# Altium PCB WashrPCBV3.PcbDoc
Units mm, origin at the board's own origin, x right, y up, seen from the top; angles counter-clockwise.
Board outline 82 x 52 mm, 2 copper layers (Top Layer, Bottom Layer); 27 components, 19 nets, 128 pads, 34 vias.
Unrouted connection lines stored in the file: 1.
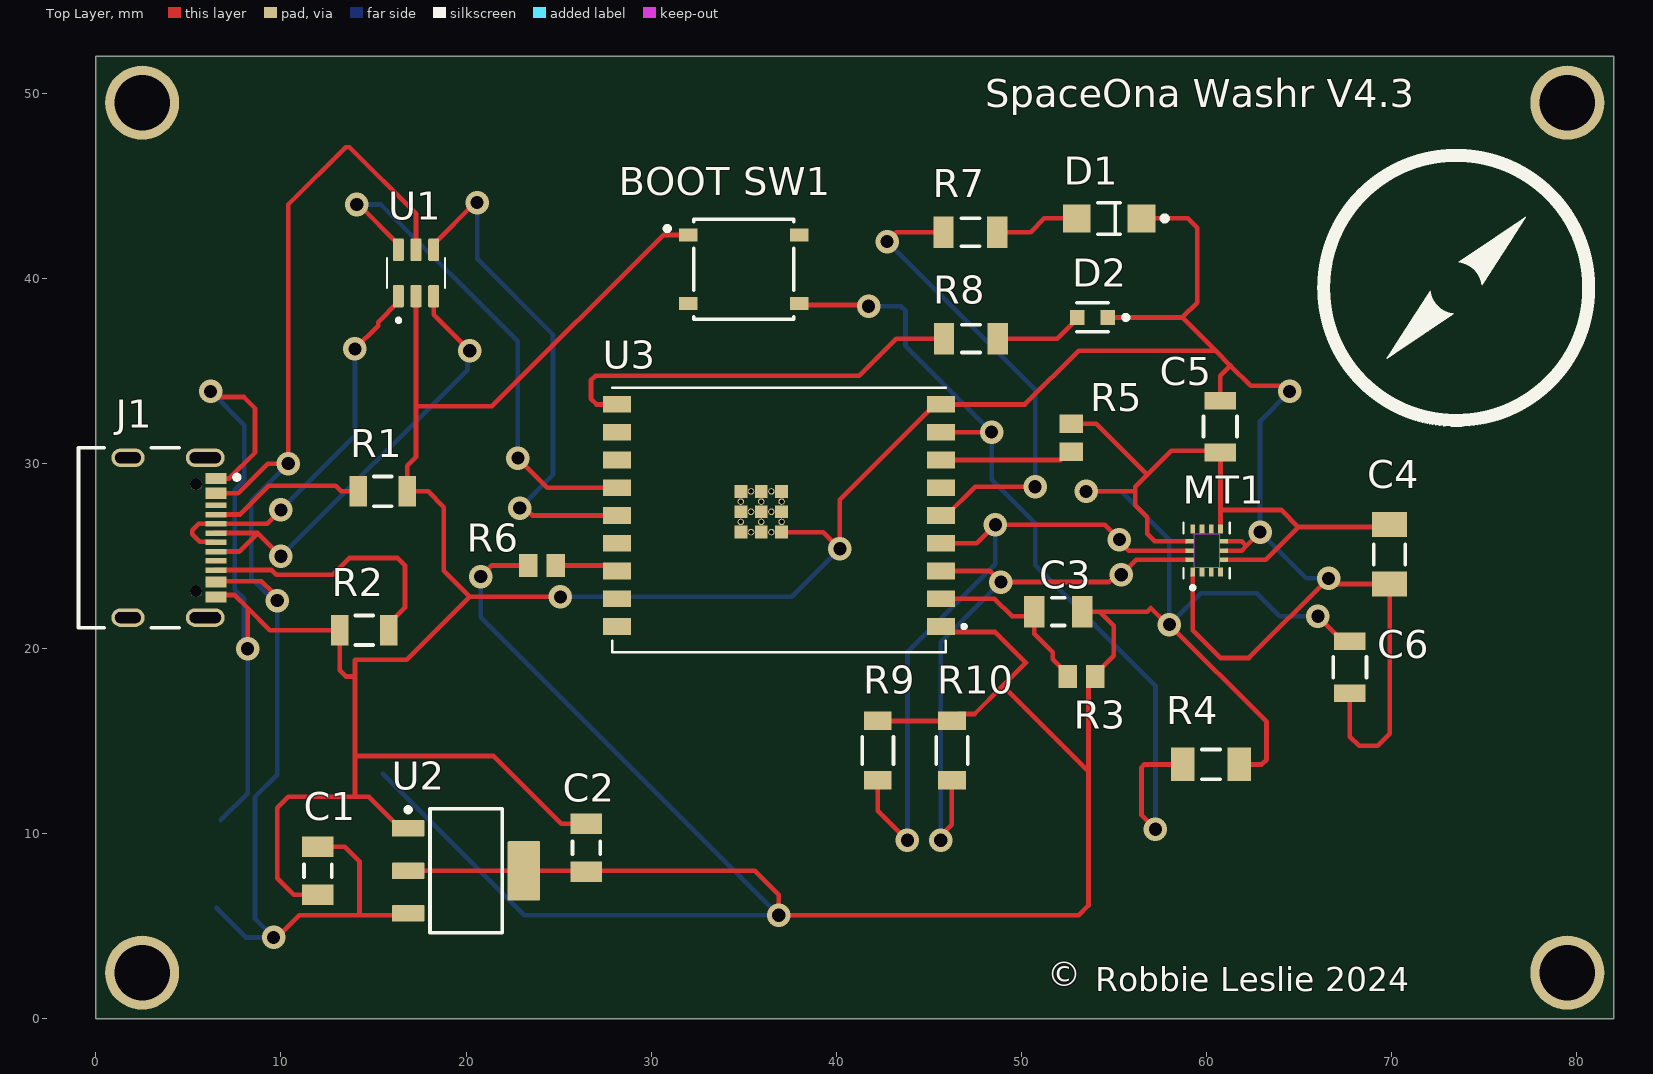
[diagram p0: Top Layer view]
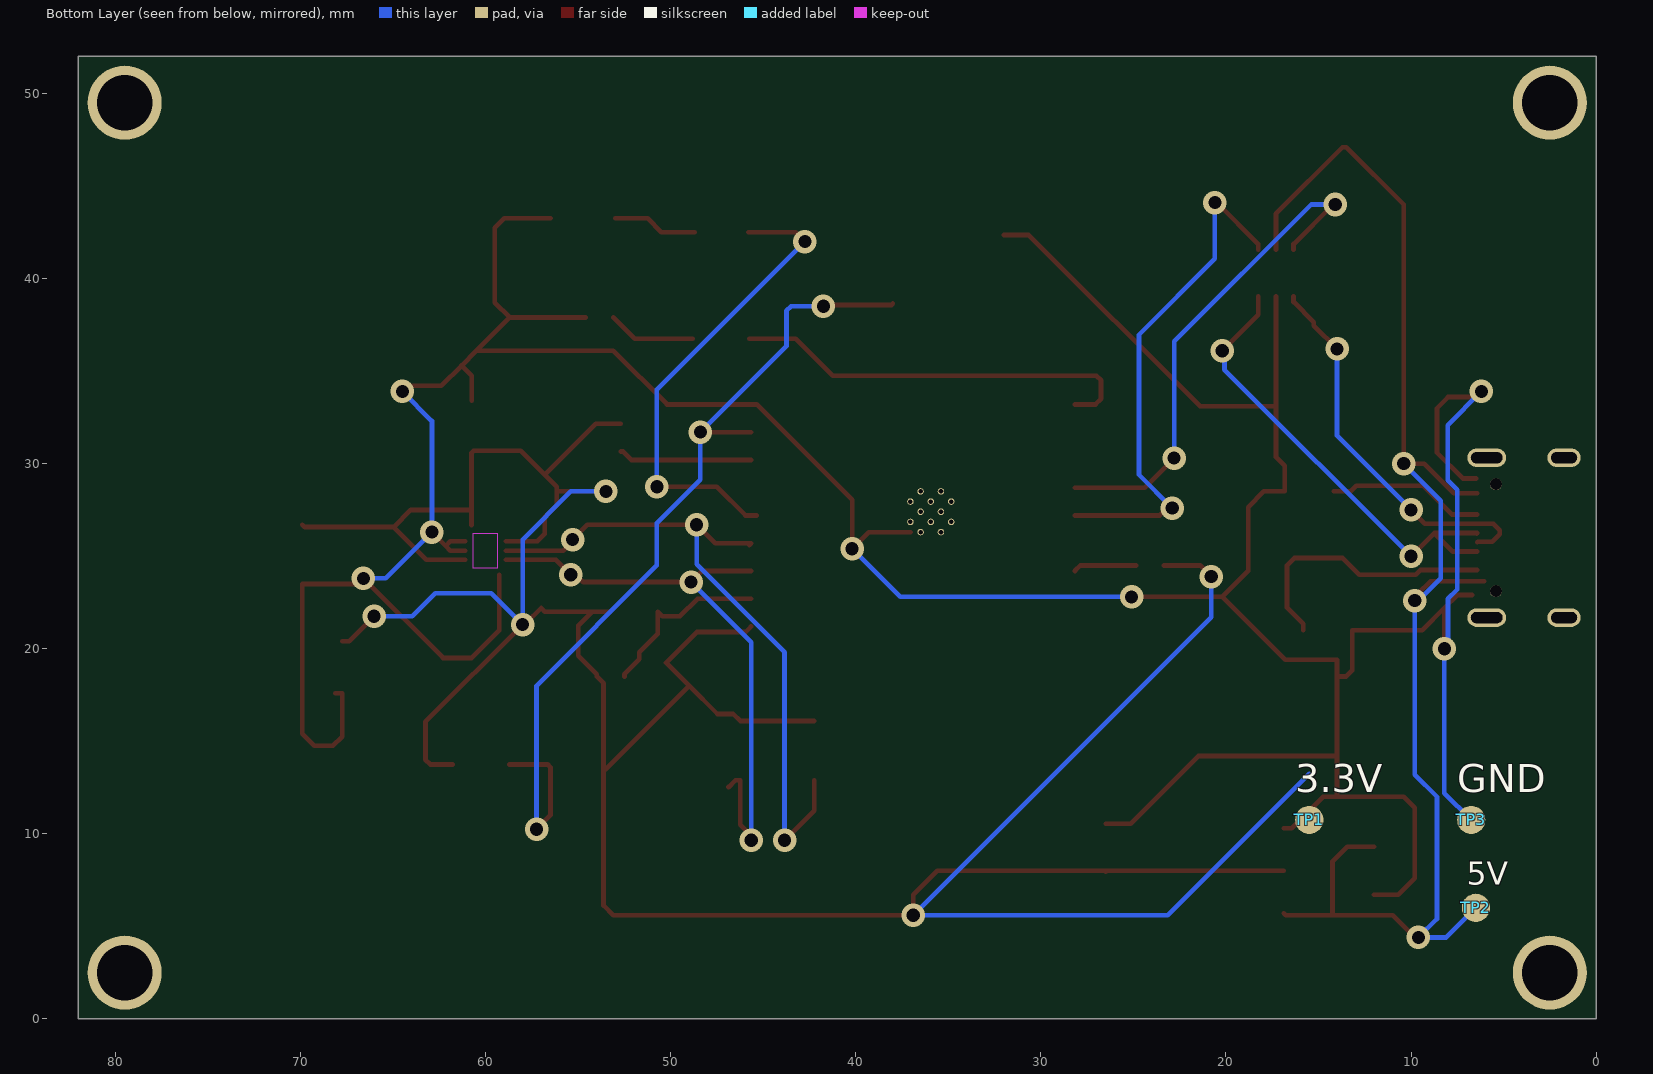
[diagram p1: Bottom Layer view, seen from below]
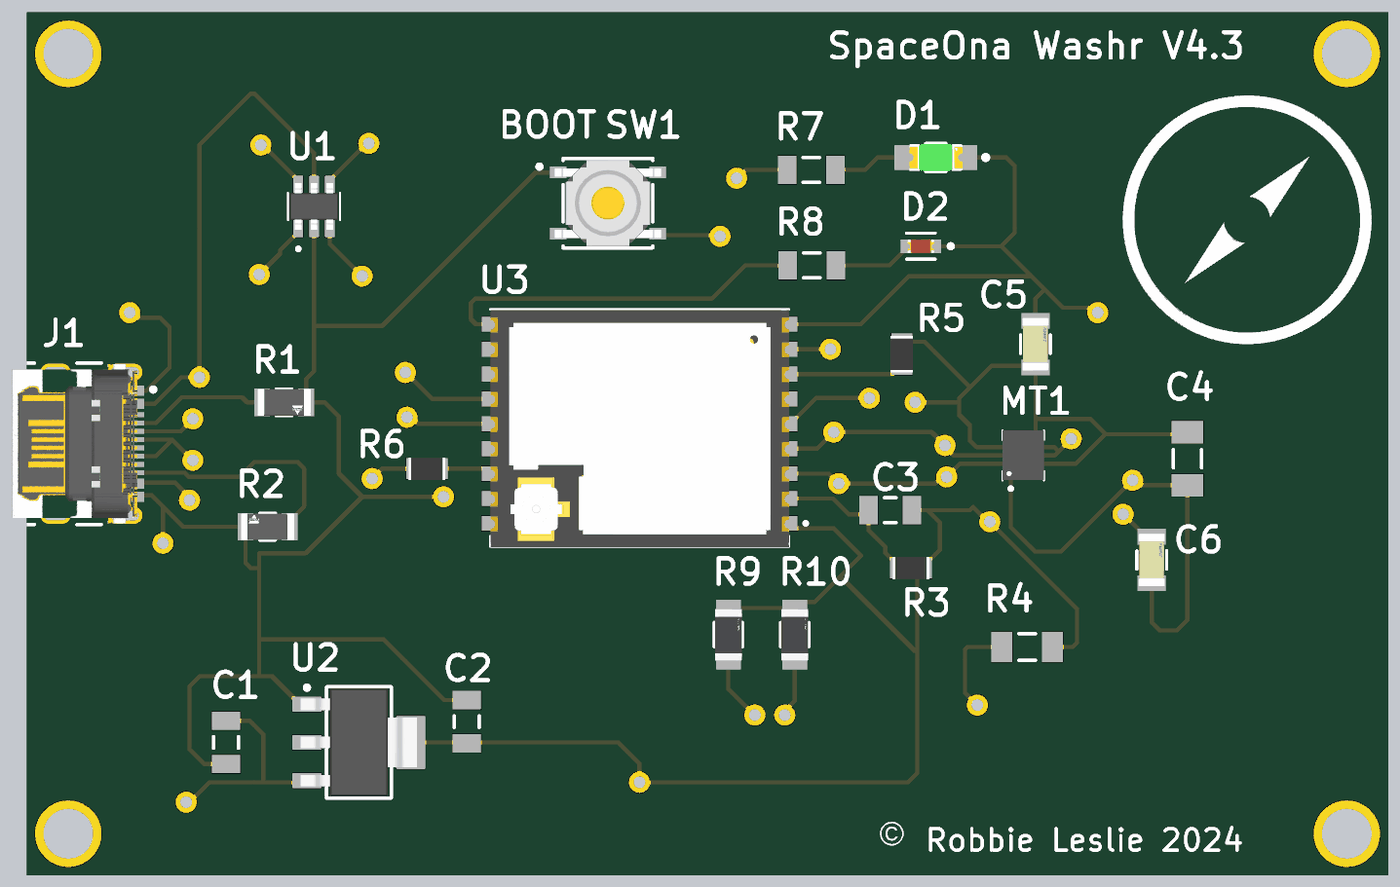
[diagram p2: 3D render of the assembled board from above, using the file's embedded part models]

## Layer stack, top to bottom
Top Solder: solder mask 0.0102, Solder Resist, Dk 3.5
Top Layer: signal copper 0.0356
Dielectric 1: dielectric 0.32, FR-4, Dk 4.8
Bottom Layer: signal copper 0.0356
Bottom Solder: solder mask 0.0102, Solder Resist, Dk 3.5

## Board outline
0,52 82,52 82,0 0,0

## Design rules (kind name [scope] priority, off if disabled: settings)
BoardOutlineClearance [All] p1: gap=0.2 ignorepadtopadclearanceinfootprint=FALSE
Clearance [All] p1: gap=0.127 ignorepadtopadclearanceinfootprint=TRUE except(0.254: Arc-Hole Track-Hole SMDPad-Hole THPad-Hole Via-Hole Fill-Hole Poly-Hole Region-Hole Text-Hole)
ComponentClearance [All] p1: gap=0.127 collisioncheckmode=3 verticalgap=0.127 showdistances=TRUE
DiffPairsRouting [All] p1: maxlimit=0.254 minlimit=0.127 mostfreqgap=0.127 toplayer_minwidth=0.127 toplayer_maxwidth=25.4 toplayer_prefwidth=0.127 bottomlayer_minwidth=0.127 bottomlayer_maxwidth=25.4 bottomlayer_prefwidth=0.127 maxuncoupledlength=12.7
Height [All] p1: minheight=0 maxheight=1816.048 prefheight=12.7
HoleSize [All] p1: absolutevalues=TRUE maxlimit=6.3 minlimit=0.3 maxpercent=80.000 minpercent=20.000
HoleToHoleClearance [All] p1: gap=0.254 allowstackedmicrovias=FALSE
MinimumAnnularRing [All] p1: minimumring=0.152
MinimumSolderMaskSliver [All] p1: minsoldermaskwidth=0.152
PlaneClearance [All] p1: clearance=0.127
PlaneConnect PlaneConnectPowerPads [InPadClass('PowerPads')] p1: planeconnectstyle=Direct reliefexpansion=0.508 reliefentries=4 reliefconductorwidth=0.254 reliefairgap=0.254
PlaneConnect [All] p2: pad.planeconnectstyle=Relief pad.reliefexpansion=0.3 pad.reliefentries=4 pad.reliefconductorwidth=0.127 pad.reliefairgap=0.127 via.planeconnectstyle=Direct via.reliefexpansion=0.3 via.reliefentries=4 via.reliefconductorwidth=0.127 via.reliefairgap=0.127
PolygonConnect PolygonConnectPowerPads [All vs (InPadClass('PowerPads'))] p1: connectstyle=Direct reliefconductorwidth=0.254 reliefentries=4 polygonreliefangle="90 Angle" airgapwidth=0.254
PolygonConnect [All] p2: thpad.connectstyle=Relief thpad.reliefconductorwidth=0.127 thpad.reliefentries=4 thpad.polygonreliefangle="90 Angle" thpad.airgapwidth=0.127 smdpad.connectstyle=Relief smdpad.reliefconductorwidth=0.127 smdpad.reliefentries=4 smdpad.polygonreliefangle="90 Angle" smdpad.airgapwidth=0.127 via.connectstyle=Direct via.reliefconductorwidth=0.127 via.reliefentries=4 via.polygonreliefangle="90 Angle" via.airgapwidth=0.127
RoutingVias [All] p1: holewidth=0.3 width=0.6 viastyle="Through Hole" minholewidth=0.3 minwidth=0.6 maxholewidth=0.6 maxwidth=6.6
SilkToSilkClearance [All] p1: silktosilkclearance=0.127
SilkToSolderMaskClearance [IsPad] p1: minsilkscreentomaskgap=0.127 clearancetoexposedcopper=TRUE
SolderMaskExpansion [All] p1: expansion=0.051 istentingtop=FALSE
SupplyNets "Schematic Supply Nets" [InNet('GND')] p1: voltage=0.000
UnRoutedNet [All] p1: checkbadconnections=TRUE
Width Width_10mil [All] p1: maxlimit=25.4 minlimit=0.254 preferedwidth=0.254 minimp=50.000000 maximp=50.000000 favimp=50.000000
Width Width_6mil [All] p2: maxlimit=25.4 minlimit=0.152 preferedwidth=0.152 minimp=50.000000 maximp=50.000000 favimp=50.000000
Width Power_20mil [All] p3: maxlimit=25.4 minlimit=0.508 preferedwidth=0.508 minimp=50.000000 maximp=50.000000 favimp=50.000000
Width Power_12mil [All] p4: maxlimit=25.4 minlimit=0.305 preferedwidth=0.305 minimp=50.000000 maximp=50.000000 favimp=50.000000
Width Width_5mil [All] p5: maxlimit=25.4 minlimit=0.127 preferedwidth=0.127 minimp=50.000000 maximp=50.000000 favimp=50.000000
19 further rules are at their usual default settings.

## Components (designator, comment, footprint, x,y, rotation, side; value= is the part's Value field where it differs from the comment)
C1 "C1206C105K5RACTU" CAPC3216X110X50LL20T25 12,8 r90 top
C2 "C1206C105K5RACTU" CAPC3216X110X50LL20T25 26.5,9.25 r270 top
C3 "C1206C105K5RACTU" CAPC3216X110X50LL20T25 52,22 r0 top
C4 "CAP 2.2uF 10V 1206(3216)" CAPC1206(3216)110_M 69.9,25.1 r90 top value=2.2uF
C5 "C1206C104J5RACTU" FP-C1206C-EB-MFG 60.75,32 r270 top value="0.10 μF"
C6 "C1206C103J1RACTU" FP-C1206C-EB-MFG 67.75,19 r270 top value="10,000 pF"
D1 "HSMG-C150" FP-HSMG-C150-MFG 54.75,43.25 r180 top
D2 "SML-D12U1WT86" FP-SML-D12-MFG 53.85,37.9 r180 top
J1 "USB4105-GF-A" FP-USB4105-GF-A-MFG 2.9,26 r270 top
MT1 "ICM-42670-P" XDCR_ICM-42670-P 60.013,25.3 r90 top
R1 "CRCW12065K10FKEA" FP-CRCW1206-e3-IPC_C 15.5,28.5 r0 top
R2 "CRCW12065K10FKEA" FP-CRCW1206-e3-IPC_C 14.5,21 r180 top
R3 "ERA-6AEB103V" RESC2013X60X40LL20T25_A 53.25,18.5 r180 top
R4 "RC1206FR-0710KL" RESC3116X65X40ML10T20 60.25,13.75 r0 top
R5 "ERA-6AEB103V" RESC2013X60X40LL20T25_A 52.7,31.4 r90 top
R6 "ERA-6AEB103V" RESC2013X60X40LL20T25_A 24.1,24.5 r180 top
R7 "CRCW120675R0FKEA" RESC3216X60X45NL10T20 47.25,42.5 r180 top
R8 "CRCW120675R0FKEA" RESC3216X60X45NL10T20 47.276,36.75 r180 top
R9 "RT1206FRE074K7L" FP-RT1206-MFG 42.25,14.5 r90 top value=4.7KΩ
R10 "RT1206FRE074K7L" FP-RT1206-MFG 46.25,14.5 r90 top value=4.7KΩ
SW1 "PTS526SK15SMTR2LFS" FP-PTS526SK15SMTR2LFS-MFG 35,40.5 r0 top
TP1 "Testpin" PCBComponent_1 15.5,10.75 r90 top
TP2 "Testpin" PCBComponent_1 6.5,6 r90 top
TP3 "Testpin" PCBComponent_1 6.75,10.75 r90 top
U1 "USBLC6-2SC6" SOT95P280X145-6N 17.3,40.3 r90 top
U2 "TLV1117LV33DCYR" DCY0004A_N 20,8 r0 top locked
U3 "ESP32-C3-WROOM-02U-N4" XCVR_ESP32-C3-WROOM-02U-N4 36.91,26.95 r180 top

## Footprints (in the part's own frame and the unit in brackets; to place one, negate y for a bottom-side part, rotate by r counter-clockwise, add the part's x,y. Pads: shape width x height; smd on the part's side, far side on the other; paste and mask are expansions set on the pad)
CAPC1206(3216)110_M [mm] "Chip Capacitor, Body 3.2x1.6mm, Height 1.1mm, IPC Low Density"
  rect 1.35x1.9 smd: 1(-1.6,0) 2(1.6,0)
  silkscreen extent -0.55,-0.85 0.55,0.85, body extent -1.7,-0.9 1.7,0.9, height 1.1
CAPC3216X110X50LL20T25 [mm] "Chip Capacitor, 2-Leads, Body 3.20x1.60mm, IPC High Density"
  rect 1.1x1.7 smd: 1(-1.3,0) 2(1.3,0)
  silkscreen extent -0.35,-0.75 0.35,0.75, body extent -1.7,-0.9 1.7,0.9, height 1.1
DCY0004A_N [mm] "SOT223, 4-Leads, Body 6.7x3.7mm, Pitch 2.3mm, IPC Medium Density"
  rrect11% 1.75x0.9 smd: 1(-3.125,2.3) 2(-3.125,0) 3(-3.125,-2.3)
  rrect6% 1.75x3.2 smd: 4(3.125,0)
  silkscreen extent -3.25,-3.35 1.95,3.42, body extent -3.5,-3.25 3.5,3.25, height 1.62
FP-C1206C-EB-MFG [mm]
  rect 0.95x1.7 smd paste+0 mask+0: 1(-1.4,0) 2(1.4,0)
  silkscreen extent -0.55,-0.9 0.55,0.9, body extent -2,-1 2,1, height 0.25
FP-CRCW1206-e3-IPC_C [mm]
  rect 0.956x1.658 smd paste+0 mask+0: 1(-1.326,0) 2(1.326,0)
  silkscreen extent -0.47,-0.8 0.47,0.8, body extent -1.9,-0.97 1.9,0.97, height 0.25
FP-HSMG-C150-MFG [mm]
  rect 1.5x1.5 smd paste+0 mask+0: 1(-1.75,0) 2(1.75,0)
  silkscreen extent -0.6,-0.85 0.6,0.85, body extent -2.6,-0.95 2.6,0.95, height 0.25
FP-PTS526SK15SMTR2LFS-MFG [mm]
  rect 1x0.7 smd paste+0 mask+0: 1(-3,1.85) 2(3,1.85) 3(-3,-1.85) 4(3,-1.85)
  silkscreen extent -4.25,-2.7 2.7,2.7, body extent -3.6,-2.8 3.6,2.8, height 0.25
FP-RT1206-MFG [mm]
  rect 1x1.5 smd paste+0 mask+0: 1(-1.6,0) 2(1.6,0)
  silkscreen extent -0.72,-0.85 0.72,0.85, body extent -2.2,-0.95 2.2,0.95, height 0.25
FP-SML-D12-MFG [mm]
  rect 0.8x0.8 smd paste+0 mask+0: 1(-0.825,0) 2(0.825,0)
  silkscreen extent -1.92,-0.79 0.85,0.77, body extent -1.33,-0.55 1.33,0.55, height 0.25
FP-USB4105-GF-A-MFG [mm]
  rrect100% 1x2.1 hole 1.7 slot 0.6 at 0 deg paste-2539.97 mask+0: 1(-4.32,3.015) 2(4.32,3.015)
  rrect100% 1x1.8 hole 1.4 slot 0.6 at 0 deg paste-2539.97 mask+0: 3(-4.32,-1.165) 4(4.32,-1.165)
  rect 0.6x1.15 smd paste+0 mask+0: A1-B12(-3.2,3.59) A4-B9(-2.4,3.59) B1-A12(3.2,3.59) B4-A9(2.4,3.59)
  rect 0.3x1.15 smd paste+0 mask+0: A5(-1.25,3.59) A6(-0.25,3.59) A7(0.25,3.59) A8(1.25,3.59) B5(1.75,3.59) B6(0.75,3.59) B7(-0.75,3.59) B8(-1.75,3.59)
  round 0.65 hole 0.65 unplated paste-2539.97 mask+0: ""(-2.89,2.515) ""(2.89,2.515)
  silkscreen extent -4.86,-3.84 4.86,4.84, body extent -4.96,-3.94 4.96,4.27, height 0.25
PCBComponent_1 [mil]
  round 60 smd far side: 1(0,0)
RESC2013X60X40LL20T25_A [mm] "Chip Resistor, 2-Leads, Body 2.20x1.35mm, IPC High Density"
  rect 1x1.25 smd: 1(-0.75,0) 2(0.75,0)
  body extent -1.1,-0.67 1.1,0.67, height 0.6
RESC3116X65X40ML10T20 [mm] "Chip Resistor, 2-Leads, Body 3.10x1.60mm, IPC Low Density"
  rect 1.25x1.8 smd: 1(-1.525,0) 2(1.525,0)
  silkscreen extent -0.5,-0.8 0.5,0.8, body extent -1.6,-0.85 1.6,0.85, height 0.65
RESC3216X60X45NL10T20 [mm] "Chip Resistor, 2-Leads, Body 3.20x1.60mm, IPC Medium Density"
  rect 1.1x1.7 smd: 1(-1.45,0) 2(1.45,0)
  silkscreen extent -0.5,-0.75 0.5,0.75, body extent -1.65,-0.85 1.65,0.85, height 0.6
SOT95P280X145-6N [mm]
  rrect25% 1.21x0.59 smd: 1(-1.255,0.95) 2(-1.255,0) 3(-1.255,-0.95) 4(1.255,-0.95) 5(1.255,0) 6(1.255,0.95)
  silkscreen extent -2.65,-1.57 0.81,1.57, body extent -1.4,-1.46 1.4,1.46, height 1.43
XCVR_ESP32-C3-WROOM-02U-N4 [mm]
  rect 1.5x0.9 smd: 1(-8.75,5.75) 2(-8.75,4.25) 3(-8.75,2.75) 4(-8.75,1.25) 5(-8.75,-0.25) 6(-8.75,-1.75) 7(-8.75,-3.25) 8(-8.75,-4.75) 9(-8.75,-6.25) 10(8.75,-6.25) 11(8.75,-4.75) 12(8.75,-3.25) 13(8.75,-1.75) 14(8.75,-0.25) 15(8.75,1.25) 16(8.75,2.75) 17(8.75,4.25) 18(8.75,5.75)
  rect 0.7x0.7 smd: 19_1(-0.14,0.65) 19_2(0.96,0.65) 19_3(2.06,0.65) 19_4(-0.14,-0.45) 19_5(0.96,-0.45) 19_6(2.06,-0.45) 19_7(-0.14,-1.55) 19_8(0.96,-1.55) 19_9(2.06,-1.55)
  round 0.35 hole 0.25 mask+0: 20_1(0.41,0.65) 20_2(1.51,0.65) 20_3(-0.14,0.1) 20_4(0.96,0.1) 20_5(2.06,0.1) 20_6(0.41,-0.45) 20_7(1.51,-0.45) 20_8(-0.14,-1) 20_9(0.96,-1) 20_10(2.06,-1) 20_11(0.41,-1.55) 20_12(1.51,-1.55)
  silkscreen extent -10.1,-7.15 9,7.15, body extent -9.02,-7.11 8.98,7.19, height 3.2
XDCR_ICM-42670-P [mm]
  rect 0.475x0.25 smd paste-1 mask+0.05: 1(-1.162,0.75) 2(-1.162,0.25) 3(-1.162,-0.25) 4(-1.162,-0.75) 8(1.162,-0.75) 9(1.162,-0.25) 10(1.162,0.25) 11(1.162,0.75)
  rect 0.25x0.475 smd paste-1 mask+0.05: 5(-0.5,-0.913) 6(0,-0.913) 7(0.5,-0.913) 12(0.5,0.913) 13(0,0.913) 14(-0.5,0.913)
  Keep-Out Layer region: 0.925,-0.675 -0.925,-0.675 -0.925,0.675 0.925,0.675
  silkscreen extent -2.1,-1.25 1.5,1.25, body extent -1.5,-1.25 1.5,1.25, height 0.81

## Part data
C1 C2 C3: library part CMP-2000-06011-1, "Chip Capacitor, 1 uF, +/- 10%, 50 V, -55 to 125 degC, 1206 (3216 Metric), RoHS, Tape and Reel", Capacitance=1uF, Capacitance - nF=1000nF, Case Code - in=1206, Case Code - mm=3216, Case Height=1mm, Case Length=3.2mm, Case Width=1.6mm, Dielectric=X7R, Manufacturer=Kemet, Maximum Operating Temperature=+125C, Minimum Operating Temperature=-55C, Operating Temperature Range=-55Cto+125C, Package / Case=1206(3216metric), Package Description="2-Pin Surface Mount Device, Body 3.2 x 1.6 mm", Temperature Coefficient / Code=+/-15%, Tolerance=10%, Voltage Rating=50V, Brand=Kemet, Class=Class1, Datasheet URL=http://www.kemet.com/docfinder?Partnumber=C1206C105K5RACTU, Datasheet Version=02/2016, Dimensions=1.6mmWx3.2mmLx1mmH, Factory Pack Quantity=2500, Manufacturer URL=http://www.kemet.com/, Mounting Technology=SurfaceMount, Package Reference=1206, Packaging=Reel, Product=GeneralTypeMLCCs, Product Category=MultilayerCeramicCapacitorsMLCC-SMD/SMT, RoHS=Details, Series=C1206C, Termination Style=SMD/SMT, Type=SMDMLCCX7R6.3-250VDCCommericalGrade, Voltage Rating DC=50V
C4: library part CMP-1037-04796-1, "CAP 2.2uF 10V ±10% 1206 (3216 Metric) Thickness 1.1mm SMD", Case-EIA=1206, Case-Metric=3216, Rated Voltage="10 V", Tolerance=Â±10%, Max Thickness="1.1 mm", Technology=SMT
C5: library part CMP-03020-003996-1, "Multilayer Ceramic Capacitor, C Series, 0.1 - F, - 5%, X7r, 50 V, 1206 [3216 Metric] Rohs Compliant: Yes", Capacitance="0.10 μF", Manufacturer=KEMET, Package=C1206C-EB, Temperature="-55°C to +150°C", Temperature Characteristic=X7R, Temperature Coefficient=15%, Temperature Range High=+150°C, Temperature Range Low=-55°C, Tolerance=0.05, Voltage Rating="50 V", Automotive=Yes, Automotive Grade="Grade 0", Category=Cap, ComponentLink2Description=Datasheet, ComponentLink2URL=https://content.kemet.com/datasheets/KEM_C1007_X8R_ULTRA_150C_SMD.pdf, Device Class L1="Passive Components", Device Class L2=Capacitors, Device Class L3="Ceramic Capacitors", Digikey Description="Multilayer Ceramic Capacitor, C Series, 0.1 - F, - 5%, X7r, 50 V, 1206 [3216 Metric] Rohs Compliant: Yes", Height=0.88mm, Ipc Land Pattern Name=CAPC320160X78, Lead Free=Yes, Manufacturer Part Number=C1206C104J5RACTU, Material=Ceramic, Mouser Description="Cap Ceramic 0.1uF 50V X7R 5% SMD 1206 125°C Plastic T/R", Octopart=https://octopart.com/c1206c104j5ractu-kemet-110335, RoHS=TRUE
C6: library part CMP-03020-003656-1, "CAP CER 10000PF 100V X7R 1206", Capacitance="10,000 pF", Manufacturer=KEMET, Package=C1206C-EB, Temperature="-55°C to +150°C", Temperature Characteristic=X7R, Temperature Coefficient=15%, Temperature Range High=+150°C, Temperature Range Low=-55°C, Tolerance=0.05, Voltage Rating="100 V", Automotive=Yes, Automotive Grade="Grade 0", Category=Cap, ComponentLink2Description=Datasheet, ComponentLink2URL=https://content.kemet.com/datasheets/KEM_C1007_X8R_ULTRA_150C_SMD.pdf, Device Class L1="Passive Components", Device Class L2=Capacitors, Device Class L3="Ceramic Capacitors", Digikey Description="CAP CER 10000PF 100V X7R 1206", Height=0.88mm, Ipc Land Pattern Name=CAPC320160X78, Lead Free=Yes, Manufacturer Part Number=C1206C103J1RACTU, Material=Ceramic, Mouser Description="1206 C 10nF Ceramic Multilayer Capacitor, 100 VDC, +125degC, X7R Dielec, +/-5%", Octopart=https://octopart.com/c1206c103j1ractu-kemet-121270, RoHS=TRUE
D1: library part CMP-2000-05061-2, "LED GREEN DIFFUSED 1206 SMD", Colour=Green, Forward Current=20mA, Forward Voltage=2.2V, Manufacturer=Broadcom, Max Junction Temp=+95°C, Power Dissipation=65mW, Reverse Voltage=5V, Temperature="-40°C to +85°C", Temperature Range High=+85°C, Temperature Range Low=-40°C, Automotive=No, Category=Diode, ComponentLink2Description=Datasheet, ComponentLink2URL=https://docs.broadcom.com/docs/AV02-0551EN, Device Class L1=Optoelectronics, Device Class L2=LEDs, Device Class L3=unset, Digikey Description="LED GREEN DIFFUSED 1206 SMD", Height=1.2mm, Ipc Land Pattern Name=DIOCP320160X55, Lead Free=Yes, Led Orientation="Top View", Luminous Intensity=15mcd, Manufacturer Part Number=HSMG-C150, Mouser Description="LED Uni-Color Green 570nm 2-Pin Chip LED T/R", Octopart=https://octopart.com/hsmg-c150-broadcom-71131304, Package=HSMG-C150, Peak Emmision Wavelength=570nm, RoHS=TRUE, Viewing Angle=170°, Wavelength=572nm
D2: library part CMP-08952-000009-1, "LED RED DIFFUSED 1608 SMD", Colour=Red, Forward Current=20mA, Forward Voltage=2.2V, Manufacturer=Rohm, Package=SML-D12, Power Dissipation=54mW, Reverse Voltage=5V, Temperature="-40°C to +85°C", Temperature Range High=+85°C, Temperature Range Low=-40°C, Automotive=No, Category=Diode, ComponentLink2Description=Datasheet, ComponentLink2URL=https://www.rohm.com/datasheet/SML-D12U1W/sml-d12x1-e, Device Class L1=Optoelectronics, Device Class L2=LEDs, Device Class L3=unset, Digikey Description="LED RED DIFFUSED 1608 SMD", Height=0.65mm, Lead Free=Yes, Led Orientation="Top View", Luminous Intensity=63mcd, Manufacturer Part Number=SML-D12U1WT86, Mouser Description="SML-D12 Series Red 0603 Diffused 63 mcd 2.2 V Surface Mount LED", Octopart=https://octopart.com/sml-d12u1wt86-rohm-70850259, RoHS=TRUE, Wavelength=620nm
J1: library part CMP-245163-000001-1, "CONN RCPT USB2.0 TYPEC 5A", Current Rating=5/6.25/1.25/0.25A, Manufacturer=GCT, Package=0, Temperature="-40°C to +85°C", Temperature Range High=+85°C, Temperature Range Low=-40°C, Voltage Rating=20V, Automotive=No, Category=Conn, ComponentLink2Description=Datasheet, ComponentLink2URL=https://gct.co/files/drawings/usb4105.pdf, Conn Orientation="Right Angle", Contact Material=Gold,Nickel, Device Class L1=Connectors, Device Class L2="USB Connectors", Device Class L3=unset, Digikey Description="CONN RCPT USB2.0 TYPEC 5A", Height=3.46mm, Is Female=yes, Lead Free=Yes, Manufacturer Part Number=USB4105-GF-A, Number of Contacts=16, Octopart=https://octopart.com/usb4105-gf-a-gct-106627878, RoHS=TRUE, USB Standard="USB 2.0"
MT1: Package=None, Supplier Part Number 1=410-ICM-42670-P, Availability=Unavailable, MP=ICM-42670-P, Price=None, Supplier 1=Mouser
R1 R2: library part CMP-1014-00590-3, "RES Thick Film, 5.1kΩ, 1%, 0.25W, 100ppm/°C, 1206", Case Code (Imperial)=1206, Case Code (Metric)=3216, Max Operating Temperature=155°C, Max Power Dissipation=250mW, Min Operating Temperature=-55°C, Package Quantity=10, Resistance=5.1kR, Temperature Coefficient=100ppm/°C, Tolerance=1%, Voltage Rating=200V, Case/Package=1206, Composition="Thick Film", Contact Plating=Tin, Depth=1.6mm, Features="Automotive AEC-Q200", Height=0.55mm, Lead Free="Lead Free", Length=3.2mm, Military Standard=Not, Number of Terminations=2, Packaging="Tape and Reel", Power Rating=250mW, Radiation Hardening=No, Termination=SMD/SMT, Voltage Rating (DC)=200V, Weight=0.000353oz, Width=1.6mm
R3 R5 R6: library part CMP-2001-00582-2, "Metal Film Chip Resistor, High Reliability Type, 0.125 W, +/- 0.1%, -55 to 155 degC, 0805 (2012 Metric), RoHS, Tape and Reel", Case Code - in=0805, Case Code - mm=2012, Manufacturer=Panasonic, Operating Temperature Range=-55Cto+155C, Package / Case=0805(2012metric), Package Description="2-Pin Surface Mount Device, Body 2 x 1.25 mm", Power Rating=125mW(1/8W), Resistance=10kOhms, Temperature Coefficient=25PPM/C, Tolerance=0.1%, Voltage Rating=100V, Brand=Panasonic, Datasheet URL=https://industrial.panasonic.com/cdbs/www-data/pdf/RDM0000/AOA0000C307.pdf, Datasheet Version=02/2016, Factory Pack Quantity=5000, Height=0.5mm, Length=2mm, Manufacturer URL=http://www.panasonic.com/, Mounting Technology=SurfaceMount, Package Reference=0805, Packaging=Reel, Product=ThinFilmResistorsSMD, Product Category=ThinFilmResistors-SMD, RoHS=Details, Series=ERA-6A, Termination Style=SMD/SMT, Type=MetalFilmChipResistors, Width=1.25mm
R4: library part CMP-1014-00623-2, "Chip Resistor, 10 KOhm, +/- 1%, 0.25 W, -55 to 155 degC, 1206 (3216 Metric), RoHS, Tape and Reel", Case Code (Imperial)=1206, Case Code (Metric)=3216, Manufacturer=Yageo, Max Operating Temperature=155degC, Min Operating Temperature=-55degC, Package Description="2-Pin Surface Mount Device, Body 3.1 x 1.6 mm", Package Quantity=5000, Package Reference=1206.0, Power Rating=250mW, Resistance=10KOhm, Temperature Coefficient=100ppm/degreesC, Tolerance=1%, Voltage Rating=200V, Case/Package=1206, Composition=ThickFilm, Datasheet URL=http://www.yageo.com/NewPortal/yageodocoutput?fileName=/pdf/R-Chip/PYu-RC_Group_51_RoHS_L_5.pdf, Datasheet Version="Rev. 5, 10/2016", Depth=1.6mm, Height=0.55mm, Lead Free=LeadFree, Length=3.1mm, Manufacturer URL=http://www.yageo.com/, Military Standard=Not, Packaging=TapeandReel, REACH SVHC=Unknown, RoHSCompliant=true, Termination=SMD/SMT, Width=1.6mm
R7 R8: library part CMP-2003-02378-1, Manufacturer="Vishay Dale", Part Number=CRCW120675R0FKEA
R9 R10: library part CMP-2003-04318-2, "RES SMD 4.7K OHM 1% 1/4W 1206", Manufacturer=Yageo, Package=RT1206, Power Rating=0.25W, Resistance=4.7KΩ, Temperature="-55°C to +155°C", Temperature Coefficient="50 ppm/°C", Temperature Range High=+155°C, Temperature Range Low=-55°C, Tolerance=0.0002, Voltage Rating=200V, Automotive=No, Category=Res, ComponentLink2Description=Datasheet, ComponentLink2URL=http://www.yageo.com/documents/recent/PYu-RT_1-to-0.01_RoHS_L_9.pdf, Composition="Thin Film", Device Class L1="Passive Components", Device Class L2=Resistors, Device Class L3="Chip SMD Resistors", Digikey Description="RES SMD 4.7K OHM 1% 1/4W 1206", Footprint Url=http://www.yageo.com/exep/pages/download/literatures/PYu-R_Mount_10.pdf, Height=0.65mm, Ipc Land Pattern Name=RESC310160X55, Lead Free=Yes, Manufacturer Part Number=RT1206FRE074K7L, Mouser Description="Res Thin Film 1206 4.7K Ohm 1% 0.25W(1/4W) ?50ppm/C Molded SMD Paper T/R", Octopart=https://octopart.com/rt1206fre074k7l-yageo-1218966, RoHS=TRUE, Series=RT
SW1: library part CMP-10040-000013-1, "TACT 5.2 X 5.2, 1.5 MM H, 260GF,", Contact Current Rating=50mA, Contact Resistance=100mΩ, Manufacturer=C&K, Operating Force=250gf, Temperature="-20°C to +70°C", Temperature Range High=+70°C, Temperature Range Low=-20°C, Voltage Rating DC=12V, Automotive=No, Category=Switch, ComponentLink2Description=Datasheet, ComponentLink2URL=https://www.ckswitches.com/media/2780/pts526.pdf, Device Class L1=Electromechanical, Device Class L2=Switches, Device Class L3="Tactile Switches", Digikey Description="TACT 5.2 X 5.2, 1.5 MM H, 260GF,", Electromechanical Life=200000Cycles, Height=1.65mm, Lead Free=Yes, Manufacturer Part Number=PTS526SK15SMTR2LFS, Octopart=https://octopart.com/pts526+sk15+smtr2+lfs-c%26k+components-100617999, Package=PTS526SK15SMTR2LFS, RoHS=TRUE, Standoff Height=0mm, Throw Configuration=SPST-NO
TP1 TP2 TP3: library part Testpin1
U1: "17V Clamp 5A (8/20Âµs) Ipp Tvs Diode Surface Mount SOT-23-6", Package="SOT-23-6 STMicroelectronics", Supplier Part Number 1=7967441, Availability="In Stock", Check_prices=https://www.snapeda.com/parts/USBLC6-2SC6/STMicroelectronics/view-part/?ref=eda, MF=STMicroelectronics, MP=USBLC6-2SC6, Price=None, Purchase-URL=https://pricing.snapeda.com/search/part/USBLC6-2SC6/?ref=eda, SnapEDA_Link=https://www.snapeda.com/parts/USBLC6-2SC6/STMicroelectronics/view-part/?ref=snap, Supplier 1="Future Electronics"
U2: library part CMP-0395-00503-2, "Single Output LDO, 1 A, Fixed 3.3 V Output, 2 to 5.5 V Input, 4-pin SOT-223 (DCY), -40 to 125 degC, Green (RoHS & no Sb/Br)", Manufacturer="Texas Instruments", Accuracy(%)=2, Code_JEDEC=TO-261, ComponentLink1Description="Manufacturer URL", ComponentLink1URL=http://www.ti.com/, ComponentLink2Description=Datasheet, ComponentLink2URL=http://www.ti.com/general/docs/lit/getliterature.tsp?genericPartNumber=TLV1117LV33&fileType=pdf, ComponentLink3Description="Package Specification", ComponentLink3URL=http://www.ti.com/litv/pdf/mpds094a, DatasheetVersion=SBVS160A, Eco-Plan="Green (RoHS & no Sb/Br)", Fixed Output Options(V)=3.3, Iout(Max)(A)=1, Iq(Typ)(mA)=0.05, Mounting Technology="Surface Mount", PackageDescription="4-Pin Plastic Small Outline, Body 3.5 x 6.5 mm, Pitch 2.3 mm", PackageReference=DCY0004A, PackageVersion=4202506/B, PartNumber=TLV1117LV33DCYR, SubFamily="Single Channel LDO", Vdo(Typ)(mV)=1200, Vin(Max)(V)=5.5, Vin(Min)(V)=2, Vout Adj(Max)(V)=3.3, Vout Adj(Min)(V)=3.3
U3: "Bluetooth, WiFi 802.11b/g/n, Bluetooth v5.0 Transceiver Module 2.4GHz Antenna Not Included, U.FL Surface Mount", Package="SMD-19 Espressif Systems", Supplier Part Number 1=1965-ESP32-C3-WROOM-02U-N4CT-ND, Check_prices=https://www.snapeda.com/parts/ESP32-C3-WROOM-02U-N4/Espressif+Systems/view-part/?ref=eda, MF="Espressif Systems", MP=ESP32-C3-WROOM-02U-N4, SnapEDA_Link=https://www.snapeda.com/parts/ESP32-C3-WROOM-02U-N4/Espressif+Systems/view-part/?ref=snap, Supplier 1=Digikey

## Free pads (board coordinates)
  round 4 hole 3: 6(2.5,2.5) 6(2.5,49.5) 6(79.5,2.5) 6(79.5,49.5)

## Via types
v1: diameter 1.27, hole 0.711, Top Layer to Bottom Layer, 34 vias

## Nets (pads, with @x,y where several pads share a name; then routed paths per layer and width w, separated by ;. In a path a pad name is that pad's centre, name@x,y a point inside that pad or via, vN(x,y) a via of type N, cw(c..) or ccw(c..) an arc to the next point about the centre after c; other vN are vias at no path point)
CC1: J1.A5 R1.1 | length 8.5
  Top Layer w0.254: J1.A5@6.425,27.25 J1.A5 7.787,27.25 9.337,28.8 12.969,28.8 13.269,28.5 R1.1
CC2: J1.B5 R2.1 | length 14.8
  Top Layer w0.254: J1.B5@6.425,24.25 9.493,24.25 9.743,24 12.8,24 13.7,24.9 16.3,24.9 16.7,24.5 16.7,22.225 15.826,21.351 R2.1
D+: U1.4 U3.14 | length 28
  Top Layer w0.254: U1.4 18.25,41.865 20.485,44.1 v1(20.6,44.1) ; v1(22.9,27.6) 23.175,27.6 23.575,27.2 U3.14
  Bottom Layer w0.254: v1(20.6,44.1) 20.6,41.063 24.7,36.963 24.7,29.4 v1(22.9,27.6)
D-: U1.6 U3.13 | length 27.5
  Top Layer w0.254: v1(14.1,44) 14.215,44 16.35,41.865 U1.6 ; v1(22.8,30.3) 24.4,28.7 U3.13
  Bottom Layer w0.254: v1(14.1,44) 15.4,44 22.8,36.6 v1(22.8,30.3)
D_N: J1.A7 J1.B7 U1.1 | length 21
  Top Layer w0.254: J1.A7@6.425,25.75 6.402,25.773 5.627,25.773 5.205,26.195 5.205,26.405 5.55,26.75 9.25,26.75 v1(10,27.5) ; v1(14,36.2) 15.257,37.457 15.257,37.642 16.35,38.735 U1.1
  Bottom Layer w0.254: v1(10,27.5) 14,31.5 v1(14,36.2)
D_P: J1.A6 J1.B6 U1.3 | length 25.9
  Top Layer w0.254: J1.B6@6.425,25.25 7.75,25.25 8.75,26.25 ; J1.A6@6.448,26.227 6.425,26.25 8.75,26.25 ; v1(10,25) 8.75,26.25 ; U1.3 18.25,38.05 v1(20.2,36.1)
  Bottom Layer w0.254: v1(10,25) 20.084,35.084 20.084,35.984 v1(20.2,36.1)
GND: C1.1 C2.1 C4.1 C5.1 C6.2 D1.1 D2.1 J1.A1-B12 J1.B1-A12 MT1.1 MT1.6 MT1.7 R1.2 R2.2 SW1.1 TP3.1 U1.2 U2.1 U3.9 U3.19_1 | length 244.2
  Top Layer w0.254: v1(6.2,33.9) 6.5,33.6 8,33.6 8.6,33 8.6,30.6 7.2,29.2 J1.A1-B12 ; J1.B1-A12@6.7,22.9 7.5,22.9 8.2,22.2 ; v1(8.2,20) 8.2,22.2 ; C1.1 10.7,6.7 9.8,7.6 9.8,11.4 10.395,11.995 14,11.995 ; U2.1 16.45,10.3 14.755,11.995 14,11.995 ; U1.2 17.3,33.1 ; v1(25.1,22.8) 20.2,22.8 ; C2.1 25.15,10.55 21.5,14.2 14.1,14.2 14,14.3 ; SW1.1 30.65,42.35 21.4,33.1 17.3,33.1 ; U3.19_1 39.3,26.3 v1(40.2,25.4) 40.2,28.04 45.36,33.2 U3.9 50.2,33.2 53.1,36.1 60.5,36.1 ; D2.1@54.6,37.9 D2.1 58.7,37.9 ; D1.1 59,43.25 59.5,42.75 59.5,38.7 58.7,37.9 ; MT1.1@59.263,24 59.263,20.987 60.75,19.5 62.3,19.5 v1(66.6,23.8) ; C5.1 60.75,34.75 61.3,35.3 ; MT1.6@61.1,25.3 61.9,25.3 62.15,25.55 ; MT1.7@61.1,25.8 61.9,25.8 62.15,25.55 ; v1(62.9,26.3) 62.15,25.55 ; v1@64.2,34.2 62.4,34.2 61.3,35.3 ; v1@66.8,23.7 67,23.5 C4.1 69.9,15.4 69.25,14.75 68.25,14.75 67.75,15.25 C6.2 C6.2@68.125,17.6 ; 8.2,22.2 9.4,21 R2.2 13.174,18.826 13.5,18.5 14,18.5 ; 14,11.995 14,14.3 ; 14,14.3 14,18.5 ; 14,18.5 14,19.4 16.8,19.4 20.2,22.8 ; 17.3,33.1 17.3,30.364 16.826,29.89 R1.2 17.951,28.5 18.8,27.651 18.8,24.2 20.2,22.8 ; 58.7,37.9 60.5,36.1 ; 60.5,36.1 61.3,35.3
  Bottom Layer w0.254: v1(6.2,33.9) 8.019,32.081 8.019,29.106 7.5,28.587 7.5,23.2 8.01,22.691 8.01,20.19 v1(8.2,20) 8.2,12.2 TP3.1 ; v1(25.1,22.8) 37.6,22.8 v1(40.2,25.4) ; v1(64.5,33.9) 62.9,32.3 v1(62.9,26.3) 65.4,23.8 v1(66.6,23.8)
IO9: R4.1 SW1.4 U3.8 | length 48.2
  Top Layer w0.254: SW1.4 38.075,38.575 41.675,38.575 v1(41.75,38.5) ; U3.8 v1(48.4,31.7) ; v1(57.25,10.25) 56.5,11 56.5,13.601 56.649,13.75 R4.1
  Bottom Layer w0.254: v1(41.75,38.5) 43.5,38.5 43.75,38.25 43.75,36.35 v1(48.4,31.7) 48.4,29.138 50.75,26.788 50.75,24.5 57.25,18 v1(57.25,10.25)
NetC3_1: C3.1 R3.2 U3.2 | length 9.8
  Top Layer w0.254: U3.2 48.55,22.7 49.5,21.75 50.45,21.75 C3.1 50.7,20.8 51.7,19.8 51.7,19.425 52.5,18.625 R3.2
NetD1_2: D1.2 R7.1 | length 4.6
  Top Layer w0.254: R7.1 50.5,42.5 51.25,43.25 D1.2
NetD2_2: D2.2 R8.1 | length 4.8
  Top Layer w0.254: R8.1@48.802,36.75 51.95,36.75 D2.2@53.1,37.9
NetR5_1: R5.1 U3.7 | length 7.2
  Top Layer w0.254: U3.7 52.125,30.2 52.575,30.65 R5.1
NetR6_1: R6.1 U3.16 | length 3.4
  Top Layer w0.254: R6.1 27.86,24.5 U3.16
NetR7_2: R7.2 U3.5 | length 25.9
  Top Layer w0.254: v1(42.75,42) 43.25,42.5 R7.2 ; U3.5@45.36,27.2 U3.5 45.96,27.2 47.51,28.75 v1(50.75,28.75)
  Bottom Layer w0.254: v1(42.75,42) 50.75,34 v1(50.75,28.75)
NetR8_2: R8.2 U3.10 | length 22.5
  Top Layer w0.254: U3.10 27.05,33.2 26.75,33.5 26.75,34.5 27,34.75 41.25,34.75 43.25,36.75 R8.2@45.75,36.75
SCL: MT1.13 R9.1 U3.4 | length 37.1
  Top Layer w0.254: R9.1 42.25,11.25 v1(43.85,9.65) ; U3.4@45.76,25.6 U3.4 47.6,25.7 v1(48.6,26.7) 54.5,26.7 v1(55.3,25.9) ; v1@55.4,25.7 55.8,25.3 MT1.13@58.9,25.3
  Bottom Layer w0.254: v1(43.85,9.65) 43.85,19.807 48.6,24.557 v1(48.6,26.7)
SDA: MT1.14 R10.1 U3.3 | length 33.6
  Top Layer w0.254: v1(45.65,9.65) 45.65,9.887 46.25,10.487 R10.1 46.5,12.9 R10.1@46.873,12.527 ; U3.3 48.3,24.2 v1(48.9,23.6) 54.725,23.6 55.125,24 v1(55.4,24) 56.2,24.8 MT1.14@58.9,24.8
  Bottom Layer w0.254: v1(45.65,9.65) 45.65,20.35 v1(48.9,23.6)
V3.3: C2.2 C3.2 C4.2 C5.2 C6.1 MT1.5 MT1.8 MT1.12 R3.1 R4.2 R5.2 R6.2 R9.2 R10.2 TP1.1 U2.2 U2.4 U3.1 | length 203.2
  Top Layer w0.254: U2.2 U2.4 C2.2@26.5,8 ; v1(20.8,23.9) 21.4,24.5 R6.2 ; C2.2 C2.2@26.5,8 ; R9.2 R10.2 46.623,16.473 47.473,16.473 49,18 ; U3.1 45.96,20.9 48.6,20.9 50.25,19.25 49,18 ; R5.2 54.05,32.15 56.8,29.4 ; C3.2 54.25,22 ; v1(53.5,28.5) 56.15,28.5 ; v1@57.8,21.4 57,22.2 56.8,22 54.25,22 ; v1(58,21.3) 63.25,16.05 63.25,14 63,13.75 R4.2 ; MT1.12@58.9,25.8 57.2,25.8 56.8,26.2 56.8,27.1 56.15,27.75 56.15,28.5 ; MT1.8@60.763,26.675 60.763,27.5 ; MT1.5@61.1,24.8 63.2,24.8 64.975,26.575 ; v1@66,21.75 v1(66.025,21.75) 67.375,20.4 C6.1 ; C4.2 69.775,26.575 64.975,26.575 ; C2.2@26.5,8 35.6,8 36.9,6.7 v1(36.9,5.6) 53.1,5.6 53.627,6.127 53.627,13.5 ; 49,18 53.5,13.5 53.627,13.5 ; 53.627,13.5 53.627,18.127 R3.1 54,18.625 55,19.625 55,21.25 54.25,22 ; 56.15,28.5 56.15,28.75 56.8,29.4 ; 56.8,29.4 58.1,30.7 60.65,30.7 C5.2 60.763,30.587 60.763,27.5 ; 60.763,27.5 64.05,27.5 64.975,26.575
  Bottom Layer w0.254: 15.5,13.25 23.15,5.6 v1(36.9,5.6) 20.8,21.7 v1(20.8,23.9) ; v1(53.5,28.5) 55.4,28.5 58,25.9 v1(58,21.3) 59.7,23 62.71,23 63.96,21.75 v1(66.025,21.75)
Vbus: C1.2 J1.A4-B9 J1.B4-A9 TP2.1 U1.5 U2.3 | length 79.2
  Top Layer w0.254: J1.B4-A9@6.05,23.65 8.95,23.65 v1@9.6,23 ; J1.A4-B9@6.425,28.4 7.7,28.4 9.3,30 v1(10.4,30) 10.4,44 13.495,47.095 13.705,47.095 17.3,43.5 U1.5 ; v1(9.6,4.4) 9.8,4.4 11,5.6 14.25,5.6 ; C1.2 13.45,9.3 14.25,8.5 14.25,5.6 ; U2.3 16.775,5.6 14.25,5.6
  Bottom Layer w0.254: TP2.1 8.1,4.4 v1(9.6,4.4) 8.6,5.4 8.6,12 9.8,13.2 v1(9.8,22.6) 9.6,22.6 8.4,23.8 8.4,28 v1(10.4,30)
pads on no net: J1. J1.1 J1.2 J1.3 J1.4 J1.A8 J1.B8 MT1.2 MT1.3 MT1.4 MT1.9 MT1.10 MT1.11 SW1.2 SW1.3 U3.6 U3.11 U3.12 U3.15 U3.17 U3.18 U3.19_2 U3.19_3 U3.19_4 U3.19_5 U3.19_6 U3.19_7 U3.19_8 U3.19_9 U3.20_1 U3.20_2 U3.20_3 U3.20_4 U3.20_5 U3.20_6 U3.20_7 U3.20_8 U3.20_9 U3.20_10 U3.20_11 U3.20_12

## Silkscreen, mask and mechanical layers (free items; w line width, h text height)
Top Overlay:
  drawing of 4 lines, arcs and shapes, not listed
  text "SpaceOna Washr V4.3" at 48.054,49.262 h1.52
  text "BOOT" at 28.254,44.504 h1.52
  text "Robbie Leslie 2024" at 54,1.5 h1.3
  text "©" at 51.4,1.3 h2.3
Bottom Overlay:
  text "GND" at 7.496,12.254 h1.52
  text "3.3V" at 16.246,12.254 h1.52
  text "5V" at 6.996,7.254 h1.25
Mechanical 1:
  lines w0.254: 0.1,0.2 0.2,0.3 ; 81.8,51.8 81.9,51.9 ; 0,0 0,52 82,52 82,0 0,0